# Allegro board R8-DEV-V1.0_FINAL.brd (continued)
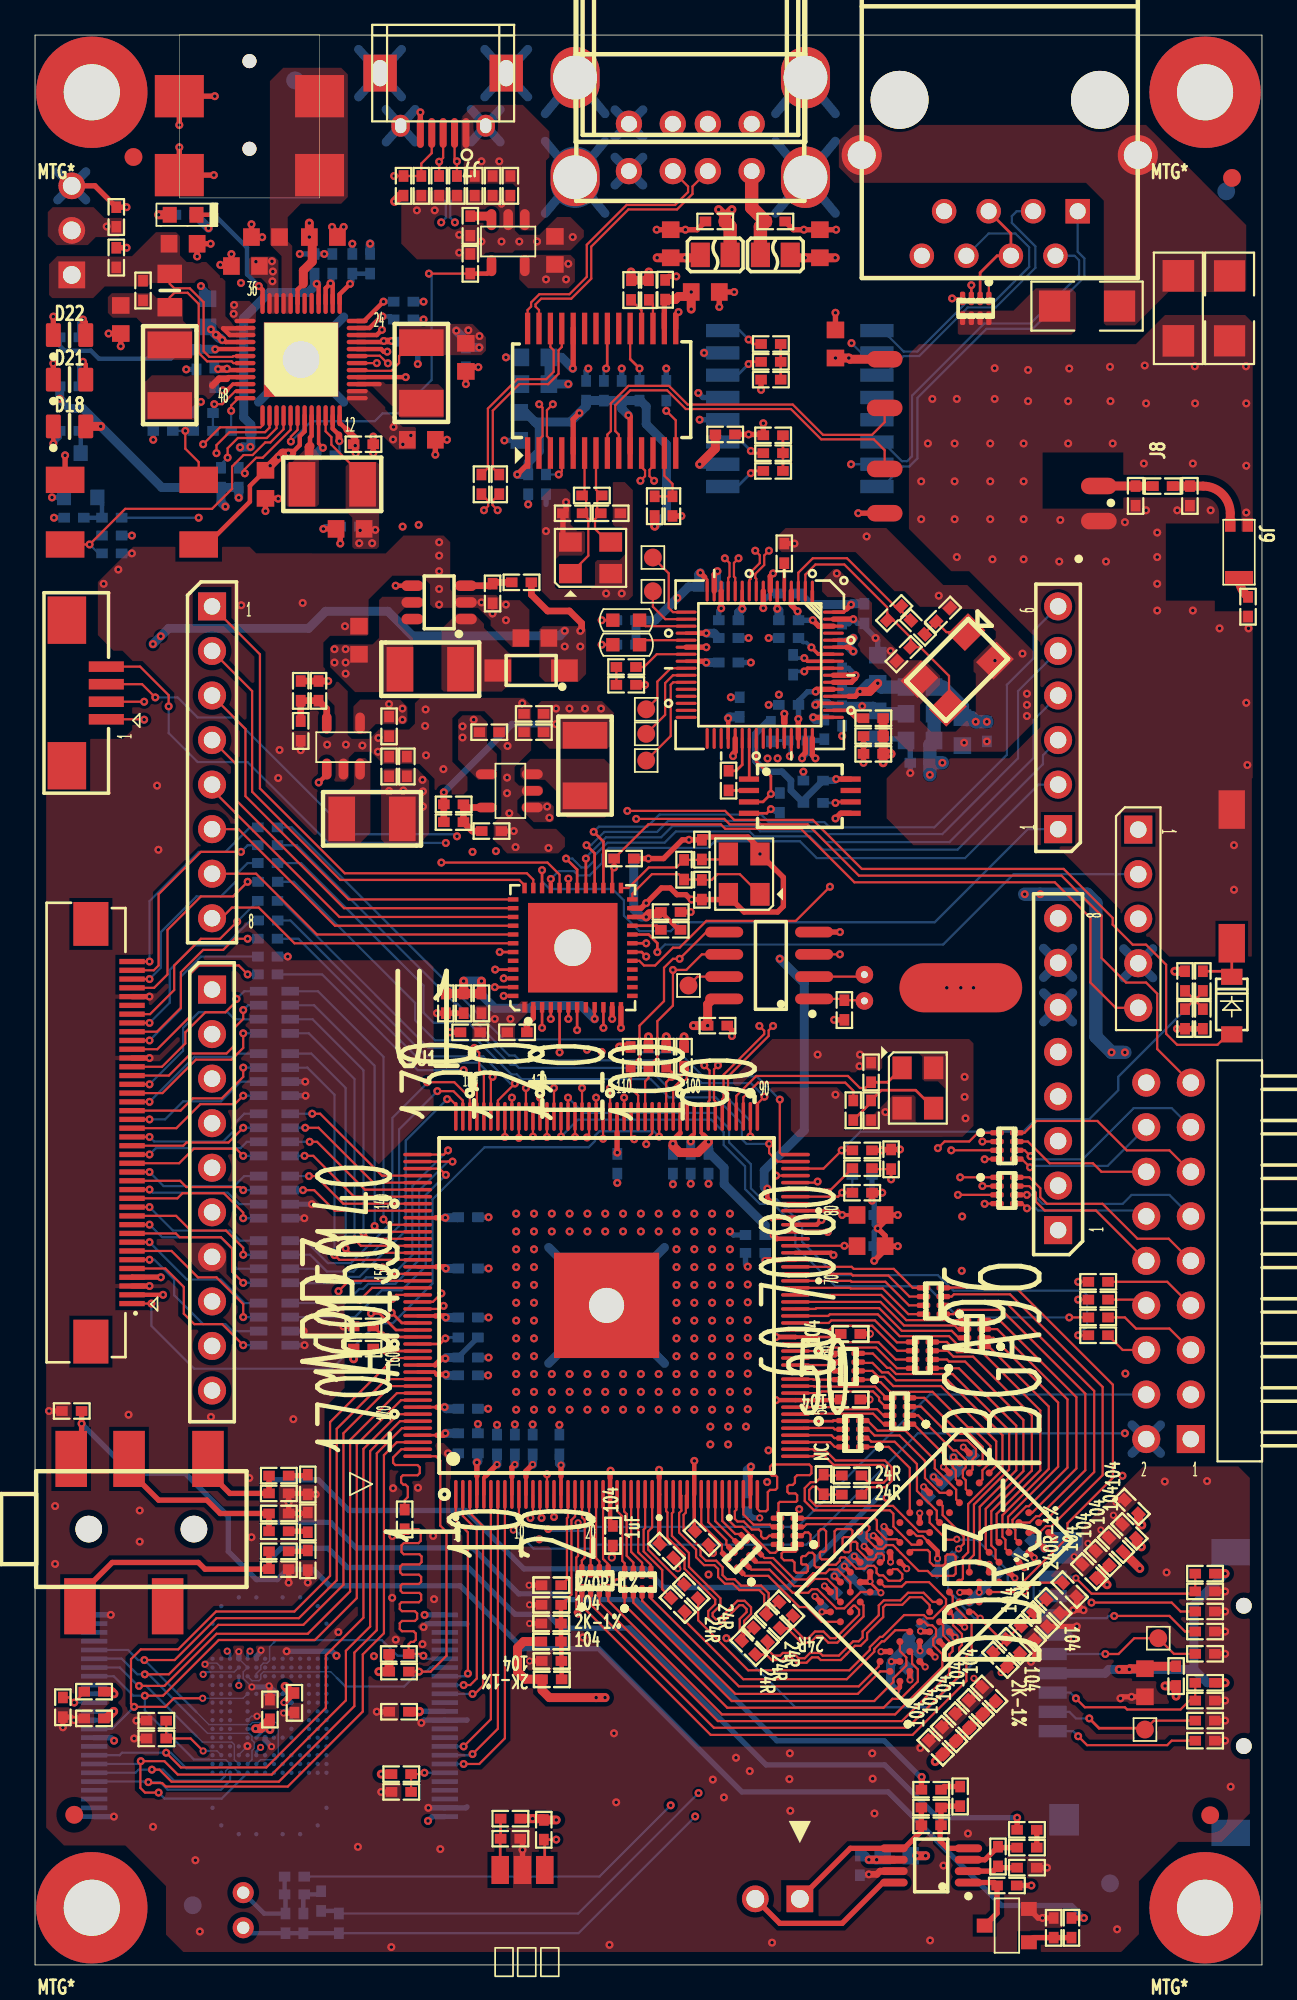
[diagram p0: board, top side]
## Routing (per net, layer and track width the routed paths; a pad name or vN(x,y) marks a point on that pad's centre or on a via; arc(x,y) is an arc through that point) (continued)
CSI-STY: length 61.7
  TOP w0.127: v2(27.28,24.79) 27.6,25.11 U1.10
  L3-SIG w0.127: J4.18 61.02,47.94 61.02,31.45 v1(62.17,30.31)
  BOTTOM w0.127: v2(27.28,24.79) 27.37,24.79 28.43,23.73 31.79,23.73 32.02,23.96 44,23.96 50.35,30.31 v1(62.17,30.31)
CSI-VSYNC: length 38.2
  TOP w0.127: U1.117 v1(30,47.22) ; R127.1 v1(58.99,36.91)
  BOTTOM w0.127: v1(30,47.22) 30.97,48.19 38.57,48.19 39.28,47.48 39.28,46.74 40.5,45.52 40.5,44.23 41.34,43.39 42.1,43.39 43.37,42.12 43.37,40.98 45.66,38.69 50.89,38.69 52.67,36.91 v1(58.99,36.91)
D2: length 8.5
  TOP w0.127: v1(56.75,45.47) 56.29,45.94 RN20.5
  BOTTOM w0.127: J4.16 61.17,45.55 56.83,45.55 v1(56.75,45.47)
D3: length 11.8
  TOP w0.127: v1(56.78,46.11) 56.45,46.44 RN20.6
  BOTTOM w0.127: J4.15 64.83,48.85 62.67,48.85 59.75,45.93 56.96,45.93 v1(56.78,46.11)
D4: length 8.1
  TOP w0.127: RN20.7 56.63,46.94 57.87,45.7 60.34,45.7 60.83,45.22 J4.14
D5: length 11.4
  TOP w0.127: J4.13 64.71,46.44 62.27,46.44 60.6,48.12 57.11,48.12 56.44,47.44 RN20.8
D6: length 7.7
  TOP w0.127: v1(56.58,43.14) 56.31,43.4 RN22.5
  BOTTOM w0.127: v1(56.58,43.14) 57.09,43.14 57.21,43.01 63.05,43.01 J4.12
D7: length 10.9
  TOP w0.127: RN22.6 v1(56.57,43.9)
  BOTTOM w0.127: J4.11 64.71,43.9 62.55,43.9 62.04,43.39 57.47,43.39 56.95,43.9 v1(56.57,43.9)
D8: length 9.4
  TOP w0.127: RN22.7 56.71,44.4 57.09,44.03 57.09,43.52 57.59,43.01 60.51,43.01 J4.10
D9: length 12.2
  TOP w0.127: RN22.8 56.72,44.9 57.34,44.28 57.34,43.77 57.72,43.39 60.9,43.39 62.88,41.4 64.66,41.4 J4.9
DM0: length 11.1
  TOP w0.127: R148.1 26.11,85.34 26.11,88.62 27.62,90.13 29.27,90.13 29.86,90.71 29.86,92.06 30.05,92.24 U39.25
DP0: length 11.1
  TOP w0.127: R149.1 25.83,85.34 25.83,88.73 27.51,90.41 29.16,90.41 29.58,90.83 29.58,92.06 29.4,92.24 U39.26
DQ0: length 27
  TOP w0.127: U29.E3 50.72,19.56 50.92,19.36 51.18,19.36 51.39,19.15 51.39,18.75 51.23,18.58 51.23,18.24 51.75,17.72 51.75,16.97 49.06,14.28 39.18,14.28 32.69,20.77 RN3.4
DQ1: length 13.7
  TOP w0.127: RN1.1 43.48,23.66 43.37,23.55 42.67,23.55 42.58,23.46 42.58,23.21 42.72,23.07 43.19,23.07 43.32,22.94 43.32,22.46 43.42,22.36 43.98,22.36 44.08,22.46 44.08,22.74 43.99,22.83 43.76,22.83 43.7,22.89 43.7,23.22 43.79,23.31 43.94,23.31 44.13,23.5 44.34,23.5 44.46,23.38 44.46,22.77 44.56,22.66 44.84,22.66 44.99,22.82 45.68,22.82 45.91,23.05 45.91,23.16 45.99,23.24 46.2,23.24 46.85,22.59 47.32,22.59 47.48,22.76 47.85,22.76 48,22.61 48,22.35 48.14,22.21 48.37,22.21 48.68,21.9 49.34,21.9 49.47,22.03 49.47,22.28 49.19,22.56 48.94,22.56 U29.F7
DQ2: length 27.9
  TOP w0.127: U29.F2 51.8,19.36 51.8,19.15 51.79,19.15 51.79,18.81 52.34,18.26 52.34,17.89 52.16,17.71 52.16,16.62 49.44,13.9 38.95,13.9 32.19,20.66 RN3.3
DQ3: length 14.6
  TOP w0.127: U29.F8 48.29,22.96 48.42,23.08 48.42,23.34 48.3,23.45 48.06,23.45 47.97,23.36 47.97,23.25 47.83,23.11 47.5,23.11 46.9,23.71 46.9,24.04 46.81,24.13 46.61,24.13 46.52,24.04 46.52,23.63 46.42,23.53 46.19,23.53 46.06,23.65 46.06,24.32 46.14,24.39 46.5,24.39 46.62,24.51 46.62,24.76 46.53,24.85 45.73,24.85 45.6,24.72 45.6,23.25 45.48,23.12 44.87,23.12 44.77,23.22 44.77,23.5 44.82,23.55 45.02,23.55 45.12,23.65 45.12,24.72 44.99,24.85 44.81,24.85 44.69,24.72 44.69,23.89 44.55,23.76 44.37,23.76 44.23,23.89 44.23,24.53 44.11,24.66 43.91,24.66 43.73,24.47 RN1.2
DQ4: length 32.9
  TOP w0.127: U29.H3 52.16,21.21 52.34,21.02 52.34,20.54 52.57,20.31 53.42,19.46 53.42,17.88 53.12,17.58 53.12,16.19 50.05,13.11 38.54,13.11 31.18,20.48 31.18,21.33 RN3.1
DQ5: length 6.7
  TOP w0.127: U29.H8 49.15,24.26 48.56,24.26 48.02,24.8 48.02,25.34 47.89,25.47 RN1.4
DQ6: length 30
  TOP w0.127: U29.G2 52.36,19.93 52.36,19.37 52.87,18.86 52.87,18.24 52.72,18.09 52.72,16.47 49.77,13.52 38.72,13.52 31.69,20.55 RN3.2
DQ7: length 16
  TOP w0.127: U29.H7 49.9,23.53 50.02,23.65 50.91,23.65 51.04,23.53 51.04,22.97 51.24,22.77 51.8,22.77 51.93,22.89 51.93,23.3 52.03,23.4 52.39,23.4 52.51,23.27 52.51,22.31 52.39,22.18 51.19,22.18 50.91,22.46 50.4,22.46 49.37,23.49 49.18,23.69 48.93,23.94 48.56,23.94 48.35,23.72 48.05,23.72 47.93,23.84 47.9,23.84 47.43,24.31 47.43,24.67 47.59,24.82 47.59,24.98 47.43,25.13 44,25.13 43.85,24.97 RN1.3
DQ8: length 8.7
  TOP w0.127: 47.63,21.26 U29.D7 47.09,21.26 46.16,20.33 45.71,20.33 44.62,21.42 44.31,21.42 44.11,21.22 43.22,21.22 41.9,22.54 40.86,22.54 RN5.2
DQ9: length 21
  TOP w0.127: RN6.2 34.13,20.65 39.74,15.04 47.86,15.04 48.95,16.13 48.95,16.33 49.7,17.07 49.7,17.53 49.33,17.9 U29.C3
DQ10: length 7
  TOP w0.127: RN5.4 41.61,23.2 42.1,23.2 43.32,21.98 44.03,21.98 44.39,22.33 45.1,22.33 45.31,22.55 45.77,22.55 46.5,21.82 U29.C8
DQ11: length 22.4
  TOP w0.127: RN6.1 33.63,20.52 39.48,14.66 48.4,14.66 48.91,15.17 49.36,15.17 50.06,15.87 50.06,15.87 50.35,16.16 50.35,16.85 50.02,17.18 50.02,17.74 U29.C2
DQ12: length 7
  TOP w0.127: U29.A7 44.87,19.56 44.03,20.4 43.6,20.4 41.82,22.18 40.5,22.18 RN5.1
DQ13: length 17.4
  TOP w0.127: U29.A2 48.21,16.73 46.93,15.45 39.94,15.45 34.63,20.76 RN6.3
DQ14: length 6.7
  TOP w0.127: RN5.3 41.16,22.94 41.95,22.94 43.29,21.6 44.05,21.6 44.46,22 45.18,22 45.72,21.46 45.72,21.42 45.74,21.41 45.74,20.89 U29.B8
DQ15: length 16.2
  TOP w0.127: U29.A3 48.12,17.22 48.12,17.02 46.98,15.88 40.14,15.88 35.13,20.9 RN6.4
DRAM-REF: length 15.7
  TOP w0.127: 56.23,19.38 55.42,18.56 ; 56.23,19.38 C83.2 ; 56.23,19.38 R90.2 56.94,20.11 C95.1 ; 55.42,18.56 R86.1 ; 55.42,18.56 C81.1 55.09,18.56 53.96,19.69 ; v2(53.91,19.77) 53.96,19.72 53.96,19.69 ; U29.M8 51.77,26.17 51.77,25.64 52.97,24.44 52.97,24.01 v2(52.68,23.72) ; U29.H1 53.53,20.13 53.96,19.69
  BOTTOM w0.127: v2(53.91,19.77) 53.59,19.77 52.84,20.51 52.84,20.6 52.08,21.36 52.08,23.02 C96.1 52.27,23.31 v2(52.68,23.72)
DRAM-VCC: length 76.8
  TOP w0.152: U1.62 45.78,35.8 C36.2
  TOP w0.254: v1(42.27,32.2) U1.53 45.92,32.2 C33.2 ; U29.C9 v2(45.59,22.17) ; v2(49.72,22.59) 49.35,22.96 U29.G7 ; U29.H2 52.73,20.7 v2(53.29,20.7) ; U29.R9 v2(52.39,28.95) ; U29.A1 49.33,15.82 v2(49.11,15.6) ; U29.D2 50.46,17.93 v2(50.48,17.91) ; U29.H9 v2(48.42,24.99) ; U29.K8 v2(50.46,25.76) ; U29.D9 v2(46.16,22.73) ; C34.2 35.6,24.03 U1.30 35.6,27.77 ; 32.8,27.77 U1.23 32.8,25.18 C35.2 ; U29.F1 v2(52.48,18.68) ; U29.E9 v2(46.73,23.29) ; v2(44.88,20.13) U29.A8 ; U1.43 40.8,27.87 ; U29.N1 v2(56.43,22.65) ; U29.B2 48.85,17.3 v2(48.84,17.3) ; U29.N9 v2(51.25,27.82) ; U29.C1 v2(50.77,16.99) ; v2(53.86,21.25) U29.K2 ; U29.R1 v1(57.59,23.75) ; U1.62 42.27,35.8 v1(42.27,35.8) 43.37,35.8 U1.62
  TOP w0.305: v1(32.83,28.18) 32.8,28.15 32.8,27.77 ; 35.6,27.77 35.6,28.22 v1(35.6,28.23) ; 40.8,27.87 40.8,28.38 v1(40.83,28.4)
  TOP w0.381: C81.2 56.19,17.75 v2(55.87,17.43) R86.2 v2(55.11,16.67) ; R105.2 C208.1 v1(23.32,66.85)
  TOP w0.508: v1(63.1,23.83) 62.82,24.12 C91.1 ; C92.1 v1(63.01,22.6) ; C93.1 C94.1 60.78,22.04 v2(61.15,21.67) ; C90.1 62.94,25.27 v1(63.13,25.08) ; v2(51.34,11.59) 51.76,12.01 C106.1 51.79,12.01 v2(52.18,12.4) 52.53,12.75 C105.1 52.55,12.77 v2(52.94,13.16) 53.29,13.51 C104.1 53.29,13.54 v2(53.68,13.93) 54.05,14.29 C103.1 54.07,14.29 v2(54.47,14.69) 54.81,15.03 C102.1 ; v1(32.51,15.24) v1(32,15.24) 29.34,15.24 28.92,15.66 R89.2 28.91,16.29 27.95,16.29 27.52,16.72 27.52,18.08 27.88,18.44 C82.1
  BOTTOM w0.254: v2(50.48,17.91) 50.53,17.86 50.53,17.23 v2(50.77,16.99)
  BOTTOM w0.381: v1(29.72,70.74) 27.2,70.74 v1(23.32,66.85) ; v2(48.42,24.99) 48.42,23.9 C88.1
  BOTTOM w0.508: v2(52.48,18.68) 52.04,19.12 C99.1 C100.1 49.83,18.42 C101.1 49.83,18.28 v2(48.84,17.3) 48.84,17.18 48.79,17.12 48.79,15.92 v2(49.11,15.6) ; v2(45.59,22.17) v2(46.16,22.73) 46.17,22.73 v2(46.73,23.29) 47.19,22.83 C85.1 47.35,22.83 C88.1 ; v1(40.83,28.4) 40.63,28.2 C142.2 ; C87.1 57.11,24.23 v1(57.59,23.75) ; v2(52.39,28.95) 52.39,28.66 52.69,28.35 C98.1 52.51,28.2 C97.1 51.62,27.46 v2(51.25,27.82) ; C89.1 54.14,21.53 v2(53.86,21.25) 53.31,20.7 v2(53.29,20.7) ; v1(32,15.24) v1(32.51,15.24)
  vias: v1(29.72,71.63) v1(30.48,71.63) v1(31.37,71.63) v1(32.28,71.63)
DSCK: length 11.3
  TOP w0.127: U29.J7 50.33,23.96 50,23.96 48.96,25 48.96,25.72 48.77,25.92 44.43,25.92 43.9,26.45 43.9,27.19 44.24,27.52 44.55,27.52 C109.2 45.03,27.9 R65.1
DSCK-N: length 10.3
  TOP w0.127: U29.K7 50.97,24.71 50.4,24.71 48.94,26.17 44.54,26.17 44.16,26.55 44.16,27.08 44.34,27.27 44.55,27.27 C109.1 45,26.81 R68.1 ; U29.K7 51.03,24.65 U29.K7
ETH-DM: length 30.3
  TOP w0.127: U39.11 34.6,85.39 34.79,85.2 34.79,84.88 v1(34.53,84.61)
  TOP w0.203: v1(43.88,74.51) 44.06,74.32 U41.57
  L3-SIG w0.127: v1(34.53,84.61) 34.67,84.75 34.67,86.48 34.45,86.7 33.67,86.7 33.36,86.39 33.36,84.96 33.54,84.78 33.54,84.45 33.36,84.27 33.36,83.95 34.2,83.12 34.2,82.12 34.35,81.96 34.35,81.61 34.2,81.46 34.2,79.45 34.35,79.3 34.35,78.95 34.2,78.79 34.2,77.96 34.42,77.75 34.42,77.46 34.2,77.24 34.2,76.9 34.94,76.15 35.17,76.15 35.42,75.91 35.42,75.68 36.58,74.52 36.83,74.52 37.06,74.28 37.06,74.03 37.71,73.39 38.91,73.39 39.09,73.57 39.42,73.57 39.6,73.39 40.73,73.39 41.59,74.25 42.36,74.25 42.54,74.43 42.87,74.43 43.04,74.25 43.62,74.25 v1(43.88,74.51)
  BOTTOM w0.203: C269.1 43.42,74.51 v1(43.88,74.51)
ETH-DP: length 30.5
  TOP w0.127: U39.12 35.24,85.44 35.05,85.24 35.05,84.88 v1(35.31,84.61)
  TOP w0.203: U41.56 44.06,73.92 v1(43.88,73.74)
  L3-SIG w0.127: v1(35.31,84.61) 34.92,85 34.92,86.58 34.56,86.95 33.56,86.95 33.11,86.5 33.11,83.85 33.95,83.01 33.95,76.79 37.6,73.13 40.83,73.13 41.7,74 43.62,74 v1(43.88,73.74)
  BOTTOM w0.203: C269.2 43.42,73.74 v1(43.88,73.74)
EXTEN: length 32.2
  TOP w0.254: v1(20.09,91.97) 19.89,91.97 19.74,92.12 U33.20 ; v1(16.18,67.41) 16.64,67.87 U34.1 ; U35.4 v1(20.57,78.63)
  L3-SIG w0.254: v1(20.57,78.63) 20.57,81.51 20.19,81.89 20.19,83.6 19.85,83.95 19.85,87.82 20.64,88.61 20.64,91.66 20.32,91.97 v1(20.09,91.97)
  L4-SIG w0.254: v1(20.57,78.63) 18.99,78.63 15.88,75.51 15.88,67.72 v1(16.18,67.41)
HOST-DM1: length 15.8
  TOP w0.127: P1.3 37.5,101.39 37.5,100.97 36.62,100.08 33.84,100.08 31.72,97.96 31.72,96.14 30.59,95 28.87,95 28.55,94.67 28.55,94.55 28.75,94.35 U39.27
HOST-DM2: length 26.9
  TOP w0.127: v1(28.75,88.98) 28.94,88.79 28.94,87.16 28.75,86.96 U39.2
  L3-SIG w0.127: v1(28.75,88.98) 29.02,89.24 29.02,93.64 32.88,97.5 32.88,99.17 35.06,101.35 35.06,105.98 35.57,106.48 37.12,106.48 37.5,106.11 37.5,105.84 P1.4
HOST-DP1: length 15.8
  TOP w0.127: P1.5 37.25,101.39 37.25,101.07 36.51,100.34 33.74,100.34 31.47,98.07 31.47,96.24 30.48,95.25 28.76,95.25 28.29,94.78 28.29,94.55 28.09,94.35 U39.28
HOST-DP2: length 26.7
  TOP w0.127: U39.3 29.4,86.96 29.2,87.16 29.2,88.64 v1(29.54,88.98)
  L3-SIG w0.127: v1(29.54,88.98) 29.27,89.24 29.27,93.53 31.6,95.85 31.85,95.85 32.08,96.09 32.08,96.34 33.13,97.39 33.13,99.06 35.32,101.25 35.32,105.87 35.67,106.23 37.02,106.23 37.25,106 37.25,105.09 37.13,104.97 P1.6
HPBP: length 4.1
  TOP w0.127: C183.2 46.18,40.98 v1(46.16,41) U1.75
  BOTTOM w0.127: v1(46.16,41) 46.18,40.98 C184.2
HPCOM: length 106.5
  TOP w0.254: v1(45.21,41.78) 45.2,41.8 U1.77
  TOP w0.305: R193.1 v1(13.34,23.07) D26.1 9.7,22.56 9.31,22.94 4.4,22.94 2.56,21.1 J16.1 ; C310.1 v1(56.02,8.39)
  L3-SIG w0.305: v1(56.02,8.39) 53.4,11.01 52.72,11.01 50.62,13.11 49.94,13.11 43.92,19.13 43.92,22.66 46.86,25.6 46.86,38.28 45.03,40.11 45.03,41.61 v1(45.21,41.78)
  BOTTOM w0.305: v1(56.02,8.39) 51.48,8.39 48.46,11.4 41.7,11.4 33.9,19.2 30.02,19.2 29.24,19.99 27.38,19.99 24.71,22.66 17.81,22.66 16.71,23.75 14.02,23.75 v1(13.34,23.07)
HPIN: length 74.2
  TOP w0.305: D23.1 v1(2.65,30.86) 2.65,29.44 J16.5 ; R192.1 v1(59.83,2.68)
  BOTTOM w0.305: v1(2.65,30.86) 5.49,28.02 8.57,28.02 11.02,25.57 11.02,23.57 12.62,21.97 13.82,21.97 14.4,22.55 15.86,22.55 16.8,21.62 24.25,21.62 27.83,18.03 32.15,18.03 40.32,9.86 48.66,9.86 55.14,3.39 59.12,3.39 v1(59.83,2.68)
HPL: length 63.4
  TOP w0.254: U1.74 45.41,40.6 v1(45.54,40.47)
  TOP w0.305: J16.4 9.86,28.13 11.11,26.88 D24.1 v1(13.34,27.39) R195.1
  L3-SIG w0.305: v1(45.54,40.47) 46.17,40.47 48.58,38.06 v1(48.58,26.63)
  BOTTOM w0.305: v1(13.34,27.39) 13.62,27.66 16.15,27.66 17.91,25.91 24.56,25.91 27.89,22.58 34.8,22.58 35.86,21.51 42.93,21.51 48.04,26.63 v1(48.58,26.63)
HPR: length 93.5
  TOP w0.254: v1(44.86,42.47) 44.59,42.2 U1.78
  TOP w0.305: J16.2 5.36,28.18 7.05,26.5 9.8,26.5 10.56,25.74 D25.1 v1(13.34,25.23) R194.1 ; C321.1 50.56,10.47 50.6,10.52 50.6,10.69 v1(50.57,10.72)
  L3-SIG w0.305: v1(50.57,10.72) 50.55,10.69 50.34,10.69 42.88,18.16 42.88,23.95 45.95,27.03 45.95,38.23 44.42,39.75 44.42,42.04 v1(44.86,42.47)
  BOTTOM w0.305: v1(50.57,10.72) 50.5,10.72 48.44,12.78 42.32,12.78 34.26,20.83 30.38,20.83 30.05,21.16 27.58,21.16 24.97,23.77 18.31,23.77 16.86,25.23 v1(13.34,25.23)
HSYNC: length 2.5
  TOP w0.127: R128.2 62.04,35.06 J4.6
IF-IO0: length 41.2
  TOP w0.127: U33.5 14.58,87.52 12.98,85.93 12.61,85.93 11.96,85.28 v1(11.96,85.04)
  TOP w0.152: U43.31 v1(30.42,61.93)
  L3-SIG w0.127: v1(30.42,61.93) 29.36,62.99 27.53,62.99 24.84,65.68 22.89,65.68 22.58,65.38 19.1,65.38 16.15,68.33 16.15,70.18 14.68,71.65 14.68,80.03 12.13,82.58 12.13,84.9 11.99,85.04 v1(11.96,85.04)
  BOTTOM w0.127: R111.1 11.68,85.35 11.96,85.06 v1(11.96,85.04)
IF-IO1: length 35.4
  TOP w0.127: v1(23.18,38.29) 22.69,37.8 U1.154 ; U43.32 29.92,62.16 29.23,62.85 v1(23.18,62.85)
  L4-SIG w0.127: v1(23.18,62.85) 21.42,61.09 21.42,46.85 22.72,45.55 22.72,38.74 v1(23.18,38.29)
IF-MISO: length 34.9
  TOP w0.127: U1.15 v1(29.6,25.54)
  TOP w0.152: U43.48 v1(26.73,55.25)
  L4-SIG w0.127: v1(26.73,55.25) 26.69,55.21 26.69,50.59 26.01,49.91 26.01,44.06 25.18,43.24 25.18,31.68 25.74,31.12 25.74,30.54 26.3,29.98 27.78,29.98 29.62,28.14 29.62,25.56 v1(29.6,25.54)
IF-MOSI: length 33.9
  TOP w0.127: U1.14 v1(29.2,27.97)
  TOP w0.152: U43.47 v1(26.22,55.75)
  L4-SIG w0.127: v1(26.22,55.75) 25.59,55.11 25.59,53.17 25.84,52.92 25.84,51.9 25.37,51.43 25.37,44.24 24.7,43.57 24.7,30.56 25.77,29.5 27.04,29.5 27.88,28.66 27.88,28.4 28.31,27.97 v1(29.2,27.97)
IF-SCK: length 38.2
  TOP w0.127: U1.13 28.8,25.58 v1(28.89,25.48)
  TOP w0.152: U43.46 v1(26.73,56.25)
  L4-SIG w0.127: v1(28.89,25.48) 28.89,25.61 27.95,26.55 26.1,26.55 24.34,28.3 24.34,43.87 24.9,44.43 24.9,51.32 24.57,51.65 24.57,52.51 24.9,52.84 24.9,56.19 25.31,56.6 25.69,56.6 26.04,56.25 v1(26.73,56.25)
IF-SS: length 39.9
  TOP w0.127: U1.12 28.4,25.63 v1(28.26,25.48)
  TOP w0.152: U43.45 v1(26.24,56.75)
  L4-SIG w0.127: v1(28.26,25.48) 27.62,26.12 25.87,26.12 23.99,28 23.99,44.28 24.47,44.76 24.47,49.28 23.81,49.94 23.81,52.2 24.42,52.81 24.42,54.97 23.94,55.46 23.94,56.6 24.45,57.11 25.88,57.11 v1(26.24,56.75)
IO0: length 29.7
  TOP w0.127: U43.35 28.42,61.87 28.05,62.24 17.66,62.24 12.83,67.07 12.83,74.72 J15.1
IO1: length 26.9
  TOP w0.127: J15.2 12.38,72.63 12.38,66.89 17.41,61.86 27.62,61.86 27.92,61.56 U43.36
IO2: length 24.2
  TOP w0.127: J15.3 12,70.47 12,66.63 17.89,60.75 U43.37
IO3: length 22.4
  TOP w0.127: J15.4 11.49,68.44 11.49,66.38 17.62,60.25 U43.38
IO4: length 20.5
  TOP w0.127: J15.5 10.1,67.01 17.36,59.75 U43.39
IO5: length 19.5
  TOP w0.127: U43.40 17.11,59.25 11.6,64.75 J15.6
IO6: length 18.6
  TOP w0.127: J15.7 12.61,62.21 16.08,58.75 U43.41
IO7: length 18.3
  TOP w0.127: U43.42 14.8,58.25 12.76,60.28 11.23,60.28 10.62,59.67 J15.8
IO8: length 28.4
  TOP w0.152: U43.19 v1(34.86,58.25)
  L3-SIG w0.127: J11.1 25.44,55.61 26.22,54.82 33.34,54.82 34.1,55.58 34.1,57.48 v1(34.86,58.25)
IO9: length 28.9
  TOP w0.152: U43.18 34.6,57.75 v1(34.86,57.49)
  L3-SIG w0.127: J11.2 10.83,53.8 12.99,53.8 14.13,54.95 25.21,54.95 25.72,54.44 33.46,54.44 34.48,55.46 34.48,57.11 v1(34.86,57.49)
IPSOUT: length 138.7
  TOP w0.254: C218.1 12.25,84.32 12.25,83.42 9.82,80.98 SW2.2 ; v1(19.89,92.58) 19.79,92.58 19.73,92.52 U33.21 ; v1(10.68,92.64) 10.7,92.66 10.73,92.66 10.87,92.52 U33.40 ; 14.64,86.19 15.1,86.65 15.1,87.15 15.38,87.43 U33.7 ; U33.44 11.05,90.92 10.97,91 v1(10.95,91)
  TOP w0.381: v1(20.35,92.58) v1(19.89,92.58) ; v1(10.31,92.94) 10.38,92.94 v1(10.68,92.64) ; v1(10.95,91) 10.93,90.98 v1(10.44,90.98)
  TOP w0.508: C218.1 v1(13.89,85.95) 14.12,86.19 v1(14.45,86.19) 14.64,86.19 ; v1(50.8,6.22) v1(50.29,6.22)
  L4-SIG w0.381: v1(10.68,92.64) 10.61,92.64 v1(10.31,92.94) 10.03,93.22 v1(10.03,93.24) ; v1(19.89,92.58) v1(20.35,92.58) ; v1(10.44,90.98) 10.93,90.98 v1(10.95,91)
  L4-SIG w0.762: v1(57.34,61.04) v1(56.45,61.04) 51.62,61.04 48.2,64.47 38.8,64.47 36.09,67.18 31.72,67.18 27.91,70.99 v1(25.02,70.99) 24.77,70.99 v1(24.38,70.61) v1(24.38,69.98) ; v1(61.4,52.03) v1(62.17,52.03) 66.74,52.03 67.88,50.88 67.88,25.36 66.36,23.83 66.36,13.55 62.55,9.74 54.31,9.74 v1(50.8,6.22) v1(50.29,6.22)
  BOTTOM w0.254: v1(20.35,92.58) v1(19.89,92.58)
  BOTTOM w0.381: C235.1 20.41,92.54 20.37,92.58 v1(20.35,92.58) ; C214.1 10.32,90.96 10.91,90.96 v1(10.95,91)
  BOTTOM w0.508: FB2.2 v1(50.29,6.22) v1(50.8,6.22) ; v1(9.89,99.02) R113.1 ; v1(10.68,92.64) 10.58,92.74 10.49,92.74 C236.1
  BOTTOM w0.762: v1(62.17,52.03) v1(61.4,52.03) 60.51,52.92 60.51,60.54 60.01,61.04 v1(57.34,61.04) v1(56.45,61.04)
  vias: v1(12.6,97.1) v1(13.41,85.47) v1(13.51,97.13) v1(13.54,95.99) v1(13.56,96.55) v1(17.08,75.01) v1(17.08,74.25) v1(17.72,75.01) v1(17.72,74.25) v1(17.72,73.62) v1(20.19,71.88) v1(20.45,87.68) v1(20.42,86.97) v1(20.98,86.69) v1(20.95,71.63) v1(20.95,70.99) v1(21.44,87.2)
IR-RX: length 57
  TOP w0.127: U1.104 35.2,47.41 34.86,47.07 v1(34.86,46.79)
  TOP w0.152: U40.1 29.07,7.09 R159.2 v1(29.73,7.14)
  L3-SIG w0.127: v1(29.73,7.14) 29.15,7.73 29.15,15.32 23.47,21 23.47,24.46 22.56,25.37 22.56,42.52 26.73,46.69 31.56,46.69 31.61,46.64 32.55,46.64 32.88,46.97 33.64,46.97 34.05,46.57 34.63,46.57 v1(34.86,46.79)
LCD-BL-EN: length 60.6
  TOP w0.127: U33.18 v1(19.49,91.32) ; J3.31 v1(6.53,52.7)
  L3-SIG w0.127: v1(6.53,52.7) 8.19,54.37 8.19,86.44 9.87,88.12 18.86,88.12 19.49,88.76 v1(19.49,91.32)
  BOTTOM w0.127: v1(6.53,52.7) 8.32,54.49 8.32,56.34 9.46,57.49 R142.1
LCD-CLK: length 15.8
  TOP w0.127: U1.129 25.2,50.26 v1(24.45,51.01)
  BOTTOM w0.127: v1(24.45,51.01) 21.83,51.01 16.37,56.47 R131.2
LCD-D2: length 17.2
  TOP w0.127: v1(17.08,40.47) 17.35,40.2 U1.148
  BOTTOM w0.127: v1(17.08,40.47) 17.08,49.61 15.54,51.16 RN26.2
LCD-D3: length 17.3
  TOP w0.127: v1(17.72,40.85) 17.97,40.6 U1.147
  BOTTOM w0.127: v1(17.72,40.85) 17.72,49.99 15.75,51.96 RN26.1
LCD-D4: length 17.6
  TOP w0.127: v1(18.22,41.36) 18.58,41 U1.146
  BOTTOM w0.127: v1(18.22,41.36) 18.22,50.5 15.61,53.11 RN27.4
LCD-D5: length 17.9
  TOP w0.127: v1(18.73,41.74) 19.07,41.4 U1.145
  BOTTOM w0.127: RN27.3 15.83,53.91 18.73,51.01 v1(18.73,41.74)
LCD-D6: length 18
  TOP w0.127: U1.144 19.69,41.8 v1(19.37,42.12)
  BOTTOM w0.127: v1(19.37,42.12) 19.37,51.26 15.92,54.71 RN27.2
LCD-D7: length 18.2
  TOP w0.127: v1(19.87,42.5) 20.18,42.2 U1.143
  BOTTOM w0.127: RN27.1 16.13,55.51 19.87,51.77 v1(19.87,42.5)
LCD-D10: length 7.8
  TOP w0.127: v1(15.28,44.17) 15.92,44.17 17.09,43 U1.141
  BOTTOM w0.127: RN24.2 v1(15.28,44.17)
LCD-D11: length 7.9
  TOP w0.127: U1.140 17.58,43.4 16.01,44.97 v1(15.63,44.97)
  BOTTOM w0.127: RN24.1 v1(15.63,44.97)
LCD-D12: length 8.2
  TOP w0.127: v1(15.37,46.13) 15.87,46.13 18.2,43.8 U1.139
  BOTTOM w0.127: RN25.4 v1(15.37,46.13)
LCD-D13: length 8.4
  TOP w0.127: U1.138 18.81,44.2 16.08,46.93 v1(15.66,46.93)
  BOTTOM w0.127: RN25.3 v1(15.66,46.93)
LCD-D14: length 8.6
  TOP w0.127: v1(15.41,47.73) 16.17,47.73 19.3,44.6 U1.137
  BOTTOM w0.127: RN25.2 v1(15.41,47.73)
LCD-D15: length 8.7
  TOP w0.127: U1.136 19.79,45 16.26,48.53 v1(15.81,48.53)
  BOTTOM w0.127: RN25.1 v1(15.81,48.53)
LCD-D18: length 16.4
  TOP w0.127: v1(23.43,45.04) 23.07,45.4 U1.135
  BOTTOM w0.127: RN21.2 18.24,36.93 19.77,38.46 20.92,38.46 22.29,39.83 22.29,43.9 v1(23.43,45.04)
LCD-D19: length 16.9
  TOP w0.127: v1(23.81,45.8) U1.134
  BOTTOM w0.127: RN21.1 17.7,37.73 18.5,38.54 18.71,38.54 19,38.83 20.55,38.83 21.91,40.19 21.91,44.15 23.56,45.8 23.81,45.8 v1(23.81,45.8)
LCD-D20: length 16.3
  TOP w0.127: U1.133 23.32,46.2 v1(23.56,46.44)
  BOTTOM w0.127: v1(23.56,46.44) 21.53,44.41 21.53,40.47 20.26,39.2 18.88,39.2 18.55,38.87 14.57,38.87 RN23.4
LCD-D21: length 17.6
  TOP w0.127: U1.132 24,49.04 23.68,49.36 v1(23.51,49.36)
  BOTTOM w0.127: RN23.3 15.93,39.69 16.39,39.23 18.5,39.23 21.14,41.87 21.14,47 v1(23.51,49.36)
LCD-D22: length 18.9
  TOP w0.127: v1(22.95,49.82) 23.86,49.82 24.4,49.28 U1.131
  BOTTOM w0.127: v1(22.95,49.82) 20.76,47.63 20.76,42.12 18.17,39.53 16.65,39.53 15.69,40.49 RN23.2
LCD-D23: length 20
  TOP w0.127: v1(22.36,50.32) 23.91,50.32 24.8,49.44 U1.130
  BOTTOM w0.127: v1(22.36,50.32) 22.36,50.27 20.38,48.29 20.38,42.37 18.02,40.01 16.71,40.01 15.43,41.29 RN23.1
LCD-DE: length 18.8
  TOP w0.127: U1.128 25.6,50.75 25.34,51.01 25.34,52 v1(25.06,52.28)
  BOTTOM w0.127: v1(25.06,52.28) 22.44,52.28 14.06,60.66 R134.2
LCD-HSYNC: length 17.8
  TOP w0.127: v1(26.1,50.63) 26,50.53 U1.127
  BOTTOM w0.127: R132.2 15.02,58.5 22.08,51.44 25.28,51.44 v1(26.1,50.63)
LCD-VSYNC: length 19.7
  TOP w0.127: U1.126 26.4,49.28 v1(27.37,50.25)
  BOTTOM w0.127: v1(27.37,50.25) 27.11,50.25 25.56,51.8 22.31,51.8 14.56,59.55 R133.2
LINK: length 2.8
  TOP w0.127: U41.19 34.82,76.32 D17.2
LRADC: length 30.8
  TOP w0.127: R182.1 66.61,55.46 v1(66.16,55) ; v1(66.16,55) 66.61,54.55 ; v1(66.16,55) 65.63,55.53 ; v1(66.16,55) 66.1,55 C308.2 ; U1.86 44.97,45.4 v1(46.01,46.44) C179.2
  TOP w0.152: 65.63,55.53 R181.2 ; 66.61,54.55 D20.1
  BOTTOM w0.127: v1(46.01,46.44) 47.08,47.51 56.37,47.51 57.09,48.22 60.13,48.22 61.78,49.87 61.78,50.63 v1(66.16,55)
MICIN1: length 64.7
  TOP w0.127: U1.84 44.58,44.6 v1(44.64,44.66)
  L3-SIG w0.127: v1(44.64,44.66) 43.36,43.38 43.36,38.7 44.3,37.76 44.3,29.39 40.92,26.01 40.92,11.99 38.04,9.1 v1(36.26,9.1)
  BOTTOM w0.127: v1(36.26,9.1) 32.19,5.04 C313.2
MICM: length 75
  TOP w0.127: v1(48.83,44.79) R95.2 47.79,45.37 C178.1
  L3-SIG w0.127: v1(37.65,8.47) 39.1,8.47 41.78,11.15 41.78,25.35 45.03,28.6 45.03,37.92 43.71,39.24 43.71,42.72 44.51,43.52 46.67,43.52 47.94,44.79 v1(48.83,44.79)
  BOTTOM w0.127: C311.1 31,1.81 v1(37.65,8.47)
  BOTTOM w0.254: MIC1.2 12.18,1.81 C315.1 C312.1 C311.1
MISO: length 25.8
  TOP w0.152: U43.7 v1(30.92,53.3)
  L3-SIG w0.127: J11.5 15.58,45.45 18.63,48.5 23.38,48.5 25.06,50.17 25.06,50.96 26.5,52.41 29.53,52.41 30.42,53.3 v1(30.92,53.3)
MOSI: length 23.4
  TOP w0.152: U43.6 v1(30.42,53.93)
  L3-SIG w0.127: J11.4 11.26,47.99 15.81,52.53 23.81,52.53 24.19,52.92 29.4,52.92 v1(30.42,53.93)
NALE: length 17
  TOP w0.127: U1.7 26.4,13.47 v1(24.95,12.02)
  BOTTOM w0.127: U36.17 24.89,11.96 v1(24.95,12.02)
NCE0-N: length 12.8
  TOP w0.127: v1(24.45,15.96) 24.82,15.96 25.2,16.33 25.2,24.8 24.4,25.6 U1.2
  BOTTOM w0.127: U36.9 v1(24.45,15.96)
NCE1-N: length 13.6
  TOP w0.127: U1.3 24.8,25.77 25.55,25.01 25.55,15.92 25.08,15.45 v1(24.95,15.45)
  BOTTOM w0.127: v1(24.95,15.45) 23.38,15.45 U36.10
NCLE: length 16.1
  TOP w0.127: v1(24.45,12.46) 26,14.01 U1.6
  BOTTOM w0.127: U36.16 v1(24.45,12.46)
NDQ0: length 40.1
  TOP w0.127: U1.174 20.63,29.8 19.9,29.07 19.9,18.91 18.69,17.7 18.69,14.45 14.41,10.17 7.45,10.17 7.25,10.37 6.51,10.37 v1(6.46,10.42)
  BOTTOM w0.127: U37.H3 11.12,10.51 10.6,9.99 7.55,9.99 7.12,10.42 v1(6.46,10.42) 6.23,10.42 6.19,10.46 U36.29
NDQ1: length 40.6
  TOP w0.127: U1.172 20.93,30.6 19.49,29.17 19.49,19.09 18.21,17.81 18.21,14.75 13.91,10.45 7.78,10.45 7.1,11.13 v1(6.67,11.13)
  BOTTOM w0.081: 10.84,10.78 10.86,10.79 10.86,10.84 10.87,10.85 10.87,11.05 11.03,11.21 11.37,11.21 U37.H4
  BOTTOM w0.127: 10.84,10.78 10.56,10.5 7.94,10.5 7.3,11.13 v1(6.67,11.13) 5.9,11.13 5.73,10.96 U36.30
NDQ2: length 43.2
  TOP w0.127: U1.171 20.82,31 19.11,29.29 19.11,19.29 17.73,17.91 17.73,15.08 13.5,10.85 8.14,10.85 7.38,11.62 v1(6.03,11.62) 6.01,11.59 6.01,10.09 6.27,9.82 v1(7.05,9.82)
  BOTTOM w0.127: v1(7.05,9.82) 7.39,9.48 10.65,9.48 U37.H5 ; U36.31 5.85,11.46 6.01,11.62 v1(6.03,11.62)
NDQ3: length 38.2
  TOP w0.127: v1(7.48,12.1) 8.32,11.26 13.19,11.26 16.59,14.65 16.59,17.65 18.73,19.8 18.73,29.42 20.71,31.4 U1.170
  BOTTOM w0.081: U37.J2 10.37,11.21 9.92,11.21
  BOTTOM w0.127: 9.92,11.21 8.62,11.21 7.73,12.1 v1(7.48,12.1) 4.96,12.1 4.82,11.96 U36.32
NDQ4: length 38
  TOP w0.127: v1(6.26,15.35) 7.3,15.35 10.48,18.52 15.96,18.52 18.35,20.91 18.35,29.67 20.87,32.2 U1.168
  BOTTOM w0.081: U37.J3 10.87,11.7 9.93,11.7 9.92,11.71
  BOTTOM w0.127: U36.41 4.49,16.46 5.6,15.35 v1(6.26,15.35) 6.26,14.51 9.06,11.71 9.92,11.71
NDQ5: length 38.9
  TOP w0.127: v1(5.93,15.91) 7.38,15.91 10.35,18.88 15.56,18.88 17.97,21.29 17.97,29.93 20.64,32.6 U1.167
  BOTTOM w0.081: 9.21,13.04 9.54,12.71 11.22,12.71 11.37,12.56 11.37,11.71 U37.J4
  BOTTOM w0.127: 9.21,13.04 6.34,15.91 v1(5.93,15.91) 5.88,15.91 4.83,16.96 U36.42
NDQ6: length 40.1
  TOP w0.127: v1(6.26,16.57) 7.63,16.57 10.45,19.39 15.3,19.39 17.59,21.67 17.59,30.31 20.28,33 U1.166
  BOTTOM w0.081: 9.21,13.84 9.84,13.2 12.22,13.2 12.37,13.06 12.37,12.82 12.51,12.68 12.51,12.35 12.37,12.22 12.37,11.71 U37.J5
  BOTTOM w0.127: 3.38,17.46 4.93,17.46 5.83,16.57 v1(6.26,16.57) 6.48,16.57 9.21,13.84